# KiCad board amix 68k (r0).kicad_pcb (continued)
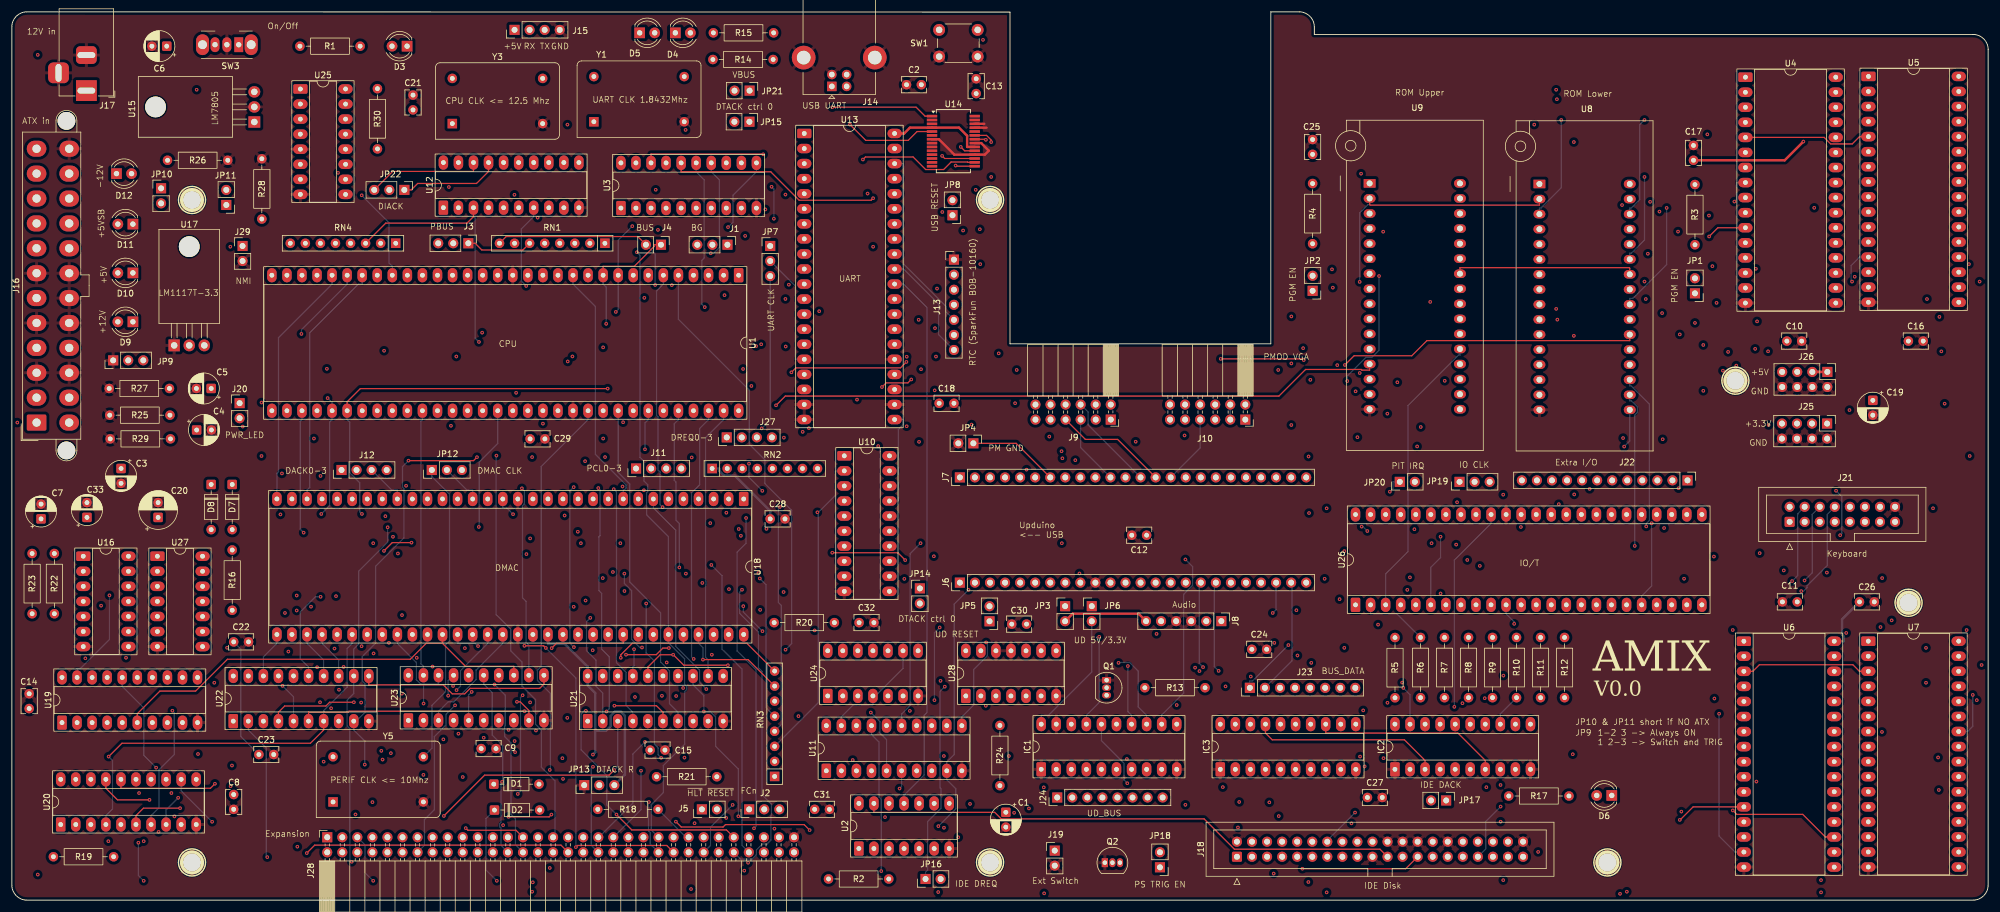
[diagram p0: board, top side]
## Routing (per net, layer and track width the routed paths; a pad name or vN(x,y) marks a point on that pad's centre or on a via; arc(x,y) is an arc through that point) (continued)
A2: length 725.4
  Top w0.2: v1(91.02,14.44) 90.63,14.05 v1(83.78,14.05) ; v1(91.06,42.52) 91.86,43.32 103.13,43.32 U18.56 ; U4.11 287.78,113.44 v1(286.31,111.96)
  In1.Cu w0.2: 229.04,95.01 229.04,94.5 228.78,94.5 227.31,93.03 227.31,88.98 v1(227.37,88.93) ; 229.04,95.01 229.04,95.26 ; 229.04,95.01 229.04,95.26 ; 229.04,95.26 U9.11 ; U8.11 257.68,94.4 257.42,94.4 256.31,93.28 256.31,82.27 260.95,77.63 260.95,66.8 v1(260.95,66.8) ; v1(281.36,95.44) 281.36,97.69 286.23,102.56 286.23,111.88 v1(286.31,111.96) ; v1(103.34,52.15) 103.13,51.94 U18.56 ; 132.94,78.54 132.23,77.84 132.23,54.04 v1(130.18,51.98) ; 132.94,78.54 v1(133.4,79.01) ; 132.94,78.54 126.41,85.07 v1(126.41,93.78) ; U6.11 290.67,18.28 278.89,30.06 278.89,61.95 279.31,62.38 279.31,63.03 278.78,63.56 277.46,63.56 U26.28 ; v1(150.94,79.95) 153.29,82.29 153.29,89.57 ; v1(57.97,14.46) 57.01,13.5 57.01,9.34 J28.4 ; v1(91.06,42.52) 91.28,42.29 91.28,22.29 91.39,22.18 91.39,14.81 v1(91.02,14.44) ; 153.29,89.57 v1(153.37,89.57) ; 153.29,89.57 153.29,93.44 150.41,96.32 U13.27
  In2.Cu w0.2: 229.04,95.01 229.04,94.5 256.76,94.5 U8.11 257.68,96.44 280.36,96.44 v1(281.36,95.44) ; U26.28 277.46,66.56 277.22,66.8 v1(260.95,66.8) ; U9.11 229.04,95.26 ; v1(133.4,79.01) 150,79.01 v1(150.94,79.95) ; U1.30 48.94,103.93 58.09,94.77 79.04,94.77 79.4,94.42 125.77,94.42 v1(126.41,93.78) ; U7.11 309.68,18.29 308.56,19.41 294.8,19.41 293.67,18.28 U6.11 290.67,18.28 288.33,15.94 251.29,15.94 v1(251.13,15.78) 251.02,15.67 227.11,15.67 226.99,15.78 206.71,15.78 202.77,19.72 v1(188.16,19.72) ; v1(57.97,14.46) 58.34,14.84 73.11,14.84 73.89,14.05 v1(83.78,14.05) ; v1(103.34,52.15) 103.7,51.79 121.73,51.79 122.92,52.98 123.42,52.98 123.77,52.62 129.53,52.62 v1(130.18,51.98) ; v1(227.37,88.93) 220.6,88.93 219.82,89.71 214.2,89.71 213.87,90.05 213.37,90.05 213.04,89.71 212.74,89.71 212.74,89.71 170.08,89.71 169.75,90.05 169.25,90.05 168.92,89.71 153.52,89.71 v1(153.37,89.57) ; U5.11 311.68,113.57 310.71,114.54 302.34,114.54 301.24,113.44 U4.11
  Bottom w0.2: v1(188.16,19.72) 187.61,20.27 187.61,23.1 183.8,26.91 IC1.16 ; J18.33 248.62,8.64 248.62,13.27 v1(251.13,15.78)
A3: length 681.9
  In1.Cu w0.2: v1(52.07,71.56) 53.43,70.2 53.43,60.32 61.08,52.68 61.08,41.68 v1(61.02,41.62) 61.32,41.32 61.32,23.81 59.55,22.04 59.55,9.34 J28.6 ; v1(99.74,77.87) 99.43,77.56 99.43,69.87 99.53,69.77 99.53,69.27 99.43,69.17 99.43,55.84 100.59,54.68 U18.55 100.59,43.32 99.14,43.32 v1(97.98,42.16) ; 272.94,80.97 278.85,75.05 278.85,67.71 280,66.56 U26.27 280,63.56 281.22,62.34 281.22,30.27 290.67,20.82 U6.10 ; 272.94,80.97 269.21,84.69 269.21,85.68 257.95,96.94 257.68,96.94 U8.10 ; 272.94,80.97 279.04,87.07 279.04,115.05 v1(277.93,116.17) ; J18.36 249.84,18.14 v1(251.12,19.43) ; v1(223.58,90.26) 223.58,92.6 U9.10 ; v1(150.95,91.68) 150.95,93.24 150.41,93.78 U13.26 147.41,93.78 146.14,92.51 v1(146.14,76.61) ; v1(45.56,71.99) 45.29,72.26 45.29,102.82 46.4,103.93 U1.31
  In2.Cu w0.2: U7.10 311.66,20.83 310.56,21.93 294.78,21.93 293.67,20.82 U6.10 290.67,20.82 289.28,19.43 v1(251.12,19.43) 250.9,19.65 238.82,19.65 237.12,21.35 237.12,22.76 233.49,26.4 188.13,26.4 186.34,28.19 IC1.15 ; 229.04,97.55 U9.10 229.04,97.55 ; 229.04,97.55 229.04,97.04 229.14,96.94 257.68,96.94 U8.10 ; v1(45.56,71.99) 45.98,71.56 v1(52.07,71.56) ; v1(97.98,42.16) 97.73,41.91 61.31,41.91 v1(61.02,41.62) ; v1(150.95,91.68) 152.01,90.62 168.69,90.62 168.92,90.85 170.08,90.85 170.31,90.62 212.6,90.62 213.13,91.15 217.2,91.15 217.32,91.27 217.32,91.36 217.68,91.72 218.18,91.72 218.53,91.36 222.47,91.36 v1(223.58,90.26) ; v1(146.14,76.61) 117.95,76.61 116.69,77.87 v1(99.74,77.87) ; v1(277.93,116.17) 290.74,116.17 290.93,115.98 U4.10 293.93,115.98 295.36,117.4 310.38,117.4 311.68,116.11 U5.10
A4: length 560.5
  In1.Cu w0.2: v1(46.07,48.45) 42.73,51.78 42.73,102.8 43.86,103.93 U1.32 ; v1(219.2,40.04) 222.85,43.69 222.85,93.65 228.77,99.58 229.04,99.58 229.04,100.09 ; U6.9 290.67,23.36 283.81,30.22 283.81,62.29 282.54,63.56 U26.26 282.54,66.56 283.92,67.94 v1(283.92,97.38) 283.92,98.35 287.83,102.27 287.83,115.96 290.39,118.52 U4.9 ; 229.04,100.09 U9.9 229.04,100.09 ; v1(63.6,43.42) 61.73,41.54 61.73,23.67 62.11,23.29 62.11,9.36 J28.8 ; U8.9 260.62,100.5 261.11,100.01 261.11,98.34 v1(260.71,97.94)
  In2.Cu w0.2: 98.05,43.32 86.9,43.32 86.71,43.51 86.21,43.51 86.02,43.32 79.03,43.32 78.89,43.46 78.39,43.46 78.25,43.32 63.7,43.32 63.6,43.42 ; 98.05,43.32 U18.54 ; 98.05,43.32 131.53,43.32 135.42,39.43 188.19,39.43 v1(188.25,39.49) 188.8,40.04 v1(219.2,40.04) ; U6.9 293.67,23.36 294.8,24.49 310.54,24.49 311.66,23.37 U7.9 ; U9.9 229.04,101.62 257.58,101.62 257.68,101.52 U8.9 ; U4.9 293.93,118.52 295.04,119.63 310.7,119.63 311.68,118.65 U5.9 ; 63.6,43.42 v1(63.6,43.42) ; 63.6,43.42 63.6,45.68 62.56,46.72 47.79,46.72 v1(46.07,48.45) ; v1(260.71,97.94) 261.72,96.93 283.46,96.93 v1(283.92,97.38)
  Bottom w0.2: v1(188.25,39.49) 188.25,31.82 188.88,31.19 IC1.14
A5: length 533.9
  In1.Cu w0.2: v1(218.82,65.3) 220.71,67.2 220.71,101.21 v1(222.83,103.33) ; 48.49,47.54 48.67,47.37 48.67,10.89 53.68,5.87 61.16,5.87 J28.10 ; 48.49,47.54 v1(50.46,49.51) ; 48.49,47.54 43.6,52.43 43.6,80.81 43.86,81.07 U1.33 ; U18.53 95.51,48.76 v1(94.77,49.49) 94.77,59.01 v1(95.99,60.22) ; U6.8 290.67,25.9 286.18,30.39 286.18,57.48 286.11,57.55 286.11,58.38 286.18,58.45 286.18,62.46 285.08,63.56 U26.25 285.08,66.56 284.73,66.92 284.73,97.93 v1(287.56,100.76) 288.51,101.71 288.51,115.79 v1(290.57,117.85)
  In2.Cu w0.2: U6.8 293.67,25.9 294.94,27.17 309.9,27.17 310.7,26.37 311.2,26.37 311.66,25.91 U7.8 ; v1(222.83,103.33) 227.54,103.33 227.74,103.14 U9.8 229.04,102.12 256.76,102.12 U8.8 258.74,101.98 273.73,101.98 274.95,100.76 v1(287.56,100.76) ; v1(218.82,65.3) 216.87,63.36 139.56,63.36 136.67,60.47 122.56,60.47 122.21,60.82 102.9,60.82 102.9,60.82 96.59,60.82 v1(95.99,60.22) ; U5.8 311.68,121.19 310.7,122.17 295.04,122.17 293.93,121.06 U4.8 ; v1(50.46,49.51) 94.75,49.51 v1(94.77,49.49)
  Bottom w0.2: v1(290.57,117.85) 290.93,118.21 290.93,121.06 U4.8
A6: length 546.2
  In1.Cu w0.2: v1(65.81,48.08) 63.93,46.2 63.93,43.96 64.21,43.68 64.21,39.48 63.33,38.6 63.33,15.07 64.63,13.77 64.63,9.34 J28.12 ; 229.04,105.17 229.04,104.66 229.29,104.66 230.38,103.57 230.38,97.66 229.51,96.79 228.55,96.79 224.18,92.42 224.18,59.14 223.97,58.93 v1(223.97,50.78) ; 229.04,105.17 229.04,105.42 ; 229.04,105.17 229.04,105.42 ; 229.04,105.42 U9.7 ; U5.7 314.68,123.73 314.68,87.08 312.74,85.15 312.74,83.6 313.35,83 314.39,83 318.86,78.53 318.86,52.39 317.62,51.14 317.62,49.03 317.75,48.9 317.75,30.66 v1(315.46,28.38) ; U1.34 46.4,71.98 46.14,71.72 46.14,50.77 v1(48.05,48.86) ; v1(286.86,106.95) 286.91,107 286.91,119.58 290.93,123.6 U4.7
  In2.Cu w0.2: 229.04,105.17 229.04,105.42 ; 229.04,105.17 229.04,104.66 254.41,104.66 256.36,106.6 257.68,106.6 257.68,106.26 ; 229.04,105.17 229.04,105.42 ; 229.04,105.42 U9.7 ; v1(223.97,50.78) 158.19,50.78 155.78,48.37 92.97,48.37 ; U6.7 293.67,28.44 294.78,29.55 308.37,29.55 309.01,28.91 311.2,28.91 311.66,28.45 U7.7 314.66,28.45 314.73,28.38 v1(315.46,28.38) ; 65.81,48.37 92.97,48.37 ; 65.81,48.37 v1(65.81,48.08) ; 65.81,48.37 48.55,48.37 v1(48.05,48.86) ; 92.97,48.37 U18.52 ; U5.7 311.68,123.73 310.68,124.73 295.06,124.73 293.93,123.6 U4.7 ; 257.68,106.26 U8.7 ; 257.68,106.26 258.07,106.65 286.56,106.65 v1(286.86,106.95)
A7: length 530
  In1.Cu w0.2: 229.04,107.71 U9.6 229.04,107.71 ; 229.04,107.71 229.04,107.2 228.77,107.2 221.79,100.21 v1(221.79,66.1) ; U4.6 293.93,126.14 293.93,109.5 ; 293.93,109.5 291.43,109.5 289.04,107.11 289.04,99.51 287.63,98.11 287.63,58.3 287.72,58.22 287.72,57.72 287.63,57.63 287.63,34.43 290.67,31.4 290.67,30.98 U6.6 ; 293.93,109.5 294.2,109.23 v1(294.2,106.51) ; v1(87.42,61.02) 87.42,46.79 87.89,46.32 U18.50 87.89,43.32 88.32,42.88 88.32,36.17 87.42,35.27 v1(87.42,33.37)
  In2.Cu w0.2: U7.6 311.63,30.99 310.52,32.09 294.78,32.09 293.67,30.98 U6.6 ; 229.04,107.71 U9.6 229.04,107.71 ; 229.04,107.71 229.04,107.2 229.14,107.1 257.68,107.1 257.68,107.18 ; v1(87.42,33.37) 86.14,33.37 85.45,34.06 84.95,34.06 84.6,33.71 84.6,33.63 83.82,32.86 v1(74.76,32.86) ; v1(221.79,66.1) 138.81,66.1 133.57,60.87 122.72,60.87 122.38,61.22 103.06,61.22 103.06,61.22 87.62,61.22 v1(87.42,61.02) 86.45,62 v1(49.22,62) ; v1(294.2,106.51) 293.7,107 287.86,107 287.27,107.59 274.11,107.59 273.62,107.1 257.77,107.1 257.68,107.18 ; U5.6 311.68,126.27 310.68,127.27 295.06,127.27 293.93,126.14 U4.6 ; 257.68,107.18 U8.6
  Bottom w0.2: J28.14 69.59,9.22 69.59,13.58 71.27,15.25 71.27,27.58 73.24,29.55 73.24,31.34 v1(74.76,32.86) ; U1.35 48.94,81.07 48.64,80.77 48.64,62.58 v1(49.22,62)
A8: length 543.6
  Top w0.2: v1(62.77,58.92) 64.17,60.31 v1(67.41,60.31) ; v1(138.4,58.61) 149.45,58.61 v1(150.7,57.36) ; U5.5 311.68,128.81 310.45,127.58 306.81,127.58 305.71,128.68 U4.5
  In1.Cu w0.2: 69.43,29.57 70.59,30.73 70.59,38.88 68.9,40.57 68.9,41.13 66.41,43.62 66.41,49.06 62.77,52.7 v1(62.77,58.92) 61.35,58.92 56.14,64.12 56.14,68.82 51.56,73.41 51.56,80.99 51.48,81.07 U1.36 ; 69.43,29.57 69.43,28.82 70.55,27.7 70.55,14.09 69.81,13.35 69.81,9.23 J28.16 ; 69.43,29.57 U23.2 ; 263.49,111.68 v1(263.49,95.2) ; 263.49,111.68 257.68,111.68 U8.5 ; 263.49,111.68 v1(263.49,127.89) ; v1(285.33,93.66) 287.11,91.87 v1(287.11,57.97) 287.2,57.97 v1(287.2,34.01)
  In2.Cu w0.2: v1(138.4,58.61) 138,59.01 68.72,59.01 v1(67.41,60.31) ; U8.5 246.1,110.66 244.98,111.78 229.04,111.78 U9.5 ; v1(263.49,95.2) 264.71,93.98 285.01,93.98 v1(285.33,93.66) ; v1(287.2,34.01) 290.17,34.01 290.67,33.52 U6.5 293.67,33.52 294.78,34.63 310.56,34.63 311.66,33.53 U7.5 ; v1(263.49,127.89) 264.18,128.59 290.84,128.59 290.93,128.68 U4.5 ; v1(150.7,57.36) 151.61,56.45 241.96,56.45 243.5,57.99 287.09,57.99 v1(287.11,57.97)
A9: length 533.4
  In1.Cu w0.2: v1(233.72,87.37) 233.72,93.63 242.76,102.68 242.76,105.94 244.01,107.2 244.28,107.2 244.28,107.71 ; 244.28,107.71 244.28,107.96 ; 244.28,107.71 244.28,107.96 ; J28.18 74.77,9.32 74.77,26.54 77.05,28.82 U23.5 ; v1(77.56,35.13) 78.17,35.74 78.17,40.76 v1(76.42,42.51) ; 244.28,107.96 U9.27 ; U4.27 309.17,126.14 309.17,77.67 306.13,74.64 306.13,61.79 305.54,61.19 305.54,31.35 305.91,30.98 U6.27 ; v1(52.19,65.15) 52.19,60.25 58.68,53.76 58.68,43.16 v1(58.99,42.84)
  In2.Cu w0.2: U8.27 272.92,109.14 245.2,109.14 U9.27 ; U7.27 326.9,30.99 325.79,29.88 310.01,29.88 308.91,30.98 U6.27 ; v1(275.41,122.01) 288.37,122.01 291.36,125.01 293.81,125.01 294.95,126.14 U4.27 309.17,126.14 310.17,125.14 325.79,125.14 326.92,126.27 U5.27 ; v1(53.26,84.7) 58.84,90.28 94.02,90.28 94.37,90.63 94.38,90.64 130.51,90.64 131.27,89.88 150.7,89.88 151.74,88.84 220.12,88.84 220.69,88.28 227.64,88.28 228.28,88.92 232.16,88.92 v1(233.72,87.37) ; v1(58.99,42.84) 59.32,42.51 v1(76.42,42.51)
  Bottom w0.2: U8.27 272.92,109.14 273.17,109.14 275.41,111.37 v1(275.41,122.01) ; v1(77.56,35.13) 77.05,34.61 U23.5 ; v1(53.26,84.7) 53.89,84.07 54.02,84.07 U1.37 54.02,81.07 53.6,80.65 53.6,66.56 v1(52.19,65.15)
A10: length 514
  Top w0.2: 244.28,106.19 244.28,106.7 272.82,106.7 272.92,106.6 U8.26 ; 244.28,106.19 244.28,105.94 ; 244.28,106.19 244.28,105.94 ; 244.28,105.94 U9.26 ; v1(100.51,86.3) 58.79,86.3 56.56,84.07 U1.38
  In1.Cu w0.2: U5.26 329.92,123.73 330.67,122.98 330.67,107.61 330.73,107.55 330.73,107.26 330.76,107.24 330.76,107.24 330.76,75.29 330.86,75.18 330.86,74.68 330.76,74.58 330.76,35.05 330.76,34.88 330.67,34.79 330.67,34.74 v1(330.78,34.62) ; J28.20 77.33,9.34 77.33,21.32 80.29,24.29 80.29,28.11 79.59,28.82 U23.6 79.59,31.82 75.78,35.63 75.78,39.59 71.38,43.99 71.38,46.64 63.37,54.64 63.37,59.17 59.05,63.49 v1(59.05,65.15) ; U8.26 272.92,106.6 273.18,106.6 275.37,108.79 275.37,116.83 v1(276.36,117.81)
  In2.Cu w0.2: U5.26 326.92,123.73 325.79,122.6 310.17,122.6 309.17,123.6 U4.26 295.35,123.6 294.22,122.47 290.96,122.47 286.3,117.81 v1(276.36,117.81) ; U7.26 326.9,28.45 325.79,27.34 310.3,27.34 309.2,28.44 U6.26 ; v1(100.51,86.3) 101.71,87.51 150.53,87.51 151.47,88.44 219.24,88.44 220.1,87.57 v1(225.27,87.57) ; U9.26 242.98,105.68 242.59,105.29 v1(230.63,105.29)
  Bottom w0.2: U1.38 56.56,81.07 57,80.63 57,72.09 58.68,70.41 58.68,65.53 v1(59.05,65.15) ; U7.26 329.9,28.45 330.78,29.33 v1(330.78,34.62) ; v1(225.27,87.57) 225.27,88.43 228.41,91.58 229.41,91.58 230.63,92.8 v1(230.63,105.29)
A11: length 517.9
  Top w0.2: U23.9 87.21,32 85.75,33.46 v1(85.2,33.46)
  In1.Cu w0.2: U6.23 305.91,20.82 299.79,26.94 299.79,53.49 294.84,58.44 v1(294.84,58.54) 294.84,97.2 v1(294.4,97.64) 294.4,104.21 306.17,115.98 U4.23 ; v1(64.29,61.31) 64.29,62.86 63.67,63.48 63.67,69.81 62.04,71.44 62.04,78.13 59.1,81.07 U1.39 ; v1(83.79,28.73) 82.78,27.72 82.78,24.73 79.87,21.81 79.87,9.34 J28.22 ; v1(85.2,33.46) 85.13,33.52 85.13,36.41 85.8,37.08 85.8,41.39 87.06,42.66 87.06,43.16 86.76,43.46 86.76,58.34 v1(86.8,58.38)
  In2.Cu w0.2: 272.92,98.3 272.92,98.98 245.2,98.98 U9.23 ; 272.92,98.3 U8.23 ; 272.92,98.3 293.74,98.3 v1(294.4,97.64) ; U7.23 326.9,20.83 325.79,19.72 310.01,19.72 308.91,20.82 U6.23 ; U5.23 326.92,116.11 325.81,115 310.15,115 309.17,115.98 U4.23 ; U23.9 87.21,28.82 83.88,28.82 v1(83.79,28.73) ; v1(64.29,61.31) 67.21,58.38 v1(86.8,58.38) 87.17,58.01 138.64,58.01 139,58.36 154.32,58.36 155.81,56.88 237.88,56.88 239.57,58.57 294.81,58.57 v1(294.84,58.54)
A12: length 545.2
  In1.Cu w0.2: U9.25 244.28,102.12 244.54,102.12 248.11,98.55 248.11,62.87 250.89,60.09 250.89,37.6 248.45,35.16 v1(248.45,34.06) ; U1.40 61.64,81.07 66.11,76.6 66.11,70.29 v1(66.5,69.91) ; v1(271.62,117.26) 271.56,117.21 271.56,105.15 272.66,104.06 272.92,104.06 U8.25 ; U23.12 87.21,36.44 87.19,36.44 85.56,34.81 85.56,34.31 85.88,33.99 85.88,31.63 85.94,31.56 85.94,12.89 84.83,11.78 84.83,10.13 84.04,9.34 82.41,9.34 J28.24
  In2.Cu w0.2: 248.45,33.49 v1(248.45,34.06) ; 248.45,33.49 249.42,32.52 271.29,32.52 279.04,24.77 293.7,24.77 294.83,25.9 U6.25 310.89,25.9 311.98,24.8 325.79,24.8 326.9,25.91 U7.25 ; 248.45,33.49 246.57,31.61 242.92,31.61 242.87,31.65 228.45,31.65 228.2,31.41 227.71,31.41 227.46,31.65 152.05,31.65 151.73,31.33 151.23,31.33 150.91,31.65 v1(144.89,31.65) 134.08,31.65 130.96,34.77 121.04,34.77 118.55,37.26 118.55,38.68 117.91,39.32 114.45,39.32 113.81,38.68 113.81,37.24 112.89,36.32 87.33,36.32 87.21,36.44 U23.12 ; v1(66.5,69.91) 66.93,69.48 v1(86.04,69.48) ; U8.25 272.92,104.06 272.82,104.16 244.28,104.16 244.28,103.65 ; 244.28,103.4 U9.25 ; 244.28,103.4 244.28,103.65 ; 244.28,103.4 244.28,103.65 ; U5.25 326.92,121.19 325.79,120.06 310.17,120.06 309.17,121.06 U4.25 294.64,121.06 293.37,119.79 289.09,119.79 286.68,117.38 278.89,117.38 278.72,117.21 271.67,117.21 v1(271.62,117.26)
  Bottom w0.2: U23.12 87.21,43.01 86.75,43.47 86.75,50.39 86.13,51.01 86.13,66.51 86.45,66.82 86.45,69.06 v1(86.04,69.48) ; U11.5 147.55,27.08 146.42,28.21 146.42,30.12 v1(144.89,31.65)
A13: length 528.2
  In1.Cu w0.2: U23.15 79.59,40.39 76.46,43.52 76.46,49.24 71.41,54.29 71.41,68.58 69.26,70.73 69.26,80.54 67.99,81.81 67.99,83.26 67.18,84.07 64.18,84.07 U1.41 ; v1(227.69,63.01) 227.81,63.13 227.81,82.25 227.72,82.33 227.72,88.31 227.97,88.56 227.97,89.18 227.72,89.43 227.72,90.86 228.56,91.71 229.56,91.71 231.33,93.48 v1(231.33,112.78) ; U8.4 257.68,114.22 257.42,114.22 256.33,115.31 256.33,130.36 v1(256.81,130.84) ; v1(228.65,62.27) 227.95,61.58 v1(227.95,32.01) ; U11.6 150.09,23.32 151.48,24.71 v1(151.48,31.93)
  In2.Cu w0.2: U7.4 311.66,36.07 310.54,37.19 294.8,37.19 293.67,36.06 U6.4 249.52,36.06 245.47,32.01 243.08,32.01 243.03,32.07 227.95,32.07 ; U5.4 311.68,131.35 310.68,132.35 295.06,132.35 293.93,131.22 U4.4 290.93,131.22 290.54,130.84 v1(256.81,130.84) ; 227.95,32.07 151.62,32.07 v1(151.48,31.93) ; 227.95,32.07 v1(227.95,32.01) ; U8.4 257.68,112.18 245.15,112.18 245.05,112.28 229.04,112.28 U9.4 230.34,113.3 230.86,112.78 v1(231.33,112.78) ; v1(82.7,19.96) 83.44,20.7 89.81,20.7 92.67,17.84 120.02,17.84 121.1,18.91 149.66,18.91 v1(149.74,18.83)
  Bottom w0.2: J28.26 82.51,9.24 82.51,12.16 82.27,12.4 82.27,12.9 82.51,13.15 82.51,19.77 v1(82.7,19.96) 82.8,20.06 82.8,26.07 81.03,27.85 81.03,35 79.59,36.44 U23.15 ; U11.6 150.09,19.18 v1(149.74,18.83) ; v1(227.69,63.01) 227.91,63.01 v1(228.65,62.27)
A14: length 580.7
  In1.Cu w0.2: v1(222.69,106.42) 221.4,105.13 221.4,102.65 220.25,101.5 220.25,69.15 216.95,65.85 216.95,49.18 v1(216.68,48.91) ; v1(331.46,33.74) 331.28,33.92 331.28,34.27 331.38,34.37 331.38,34.87 331.27,34.99 331.27,127.46 329.92,128.81 U5.28 ; U1.42 66.72,81.07 68.7,79.09 68.7,50.77 73.95,45.52 73.95,42.54 77.05,39.44 U23.16 ; v1(157.22,24.32) 157.22,27.03 156.53,27.73 156.53,32.84 v1(155.63,33.74) ; v1(87.76,1.43) 86.22,2.97 J28.28 ; U11.7 152.63,20.32 154.31,18.64 154.31,12.97 156.85,10.43 156.85,5.29 157.88,4.26 157.88,2.97 v1(156.27,1.36) ; v1(304.04,116.8) 304.04,126.55 306.17,128.68 U4.28
  In2.Cu w0.2: U9.28 244.28,109.74 ; 244.28,109.74 244.24,109.7 ; 244.28,109.74 244.24,109.7 244.24,109.7 ; 244.28,109.74 244.42,109.59 272.36,109.59 272.92,110.15 ; 244.24,109.7 244.2,109.66 225.93,109.66 v1(222.69,106.42) ; 272.92,110.15 277.34,114.57 293.09,114.57 293.46,114.94 302.18,114.94 v1(304.04,116.8) ; 272.92,110.15 U8.28 ; v1(87.76,1.43) 87.92,1.27 156.17,1.27 v1(156.27,1.36) ; U6.28 309.69,33.52 310.8,32.42 325.79,32.42 326.9,33.53 U7.28 329.9,33.53 330.11,33.74 v1(331.46,33.74) ; v1(157.22,24.32) 153.62,24.32 152.63,23.32 U11.7 ; U5.28 326.92,128.81 325.79,127.68 310.17,127.68 309.17,128.68 U4.28 ; U23.16 77.05,36.44 77.11,36.38 v1(81.42,36.38) ; v1(216.68,48.91) 216.51,49.09 185.83,49.09 185.18,48.43 158.95,48.43 v1(156.51,46)
  Bottom w0.2: v1(156.51,46) 155.63,45.12 v1(155.63,33.74) ; v1(81.42,36.38) 83.23,34.57 83.23,29.46 83.13,29.37 83.13,27.59 84.21,26.52 84.21,14.48 84.95,13.73 84.95,9.34 J28.28
A15: length 512.6
  Top w0.2: U7.3 311.66,38.61 310.56,39.71 294.78,39.71 293.67,38.6 U6.3
  In1.Cu w0.2: U4.3 290.93,133.76 290.93,133.26 286.28,128.62 v1(286.28,115.5) ; v1(248.73,19.05) 249.97,20.28 249.97,31.86 251.6,33.49 v1(251.6,37.88) 251.6,46.75 253.17,48.31 253.17,61.04 250.87,63.33 250.87,105.9 244.49,112.28 244.28,112.28 244.28,112.79 ; 244.28,113.04 244.28,112.79 ; 244.28,113.04 244.28,112.79 ; 244.28,113.04 U9.29 ; v1(92.97,20.46) 92.57,20.05 92.57,10.19 91.6,9.22 89.91,9.22 J28.30 ; U23.19 69.43,36.44 68.3,35.31 68.3,22.27 v1(69.43,21.14)
  In2.Cu w0.2: 244.28,113.81 244.28,113.56 ; 244.28,113.81 244.28,113.56 ; 244.28,113.81 244.28,114.32 272.82,114.32 272.92,114.22 ; 244.28,113.56 U9.29 ; U11.8 155.17,20.32 ; 155.17,20.32 154.55,19.7 119.93,19.7 118.48,18.24 95.19,18.24 v1(92.97,20.46) 92.29,21.14 76.54,21.14 76.31,21.37 69.66,21.37 v1(69.43,21.14) ; 155.17,20.32 161.34,20.32 161.46,20.43 204.14,20.43 205.52,19.05 v1(248.73,19.05) ; U4.3 293.93,133.76 295.04,134.87 310.7,134.87 311.68,133.89 U5.3 ; v1(286.28,115.5) 276.55,115.5 275.28,114.22 272.92,114.22 ; v1(251.6,37.88) 252.32,38.6 U6.3 ; 272.92,114.22 U8.29
  Bottom w0.2: U23.19 69.43,39.44 69,39.87 69,80.81 69.26,81.07 U1.43
A16: length 641
  In1.Cu w0.2: v1(90.74,5.43) 91.3,5.99 J28.32 ; U9.3 229.04,115.58 ; U5.31 326.92,136.43 321.3,130.81 321.3,52.53 322.89,50.94 v1(322.89,42.56) ; 229.04,115.33 229.04,114.82 229.29,114.82 230.34,113.77 230.34,110.27 229.31,109.24 228.33,109.24 223.73,104.64 223.73,103.1 221.11,100.48 221.11,54.56 v1(221.45,54.22) ; v1(128.64,12.06) 128.13,11.55 128.13,7.65 126.79,6.31 v1(124.19,6.31) ; U22.2 39.89,35.45 41.3,36.86 41.3,83.14 v1(42.12,83.95)
  In2.Cu w0.2: v1(261.36,131.62) 264.63,134.89 293.09,134.89 294.04,135.84 305.71,135.84 306.17,136.3 U4.31 309.17,136.3 310.15,135.32 325.81,135.32 326.92,136.43 U5.31 ; 322.89,42.27 325.78,42.27 326.9,41.15 U7.31 ; 322.89,42.27 310.04,42.27 308.91,41.14 U6.31 ; 322.89,42.27 v1(322.89,42.56) ; 229.04,115.33 229.04,114.82 256.76,114.82 U8.3 ; 229.04,115.58 U9.3 ; v1(221.45,54.22) 219.58,52.35 v1(161.37,52.35) ; v1(156.29,12.48) 155.87,12.06 135.18,12.06 134.82,12.42 134.32,12.42 133.97,12.06 v1(128.64,12.06) ; v1(124.19,6.31) 123.98,6.31 123.1,5.43 v1(90.74,5.43) 44.91,5.43 v1(43.09,7.26) ; U1.44 71.8,84.07 42.24,84.07 v1(42.12,83.95)
  Bottom w0.2: U8.3 257.68,116.76 257.93,116.76 261.36,120.19 v1(261.36,131.62) ; v1(156.29,12.48) 159.23,15.42 159.23,18.8 157.71,20.32 U11.9 157.71,23.32 158.96,24.57 158.96,49.94 v1(161.37,52.35) ; U22.2 39.89,28.7 42.92,25.67 42.92,7.42 v1(43.09,7.26)
A17: length 622
  Top w0.2: 229.04,117.87 229.04,117.36 229.14,117.26 257.68,117.26 U8.2 ; 229.04,117.87 U9.2 229.04,117.87 ; v1(49.75,7.94) 51.09,9.28 92.63,9.28 J28.34
  In1.Cu w0.2: v1(260.63,135.12) 260.63,121.61 258.32,119.3 257.68,119.3 U8.2 ; v1(227.36,104.3) 222.39,99.34 222.39,46.8 v1(216.87,41.27) ; v1(42.12,74.93) 42.12,40.33 43.84,38.61 43.84,36.94 44.62,36.16 v1(45.65,36.16) ; v1(159.65,10.61) 159.65,15.48 161.41,17.24 161.41,26.77 160.25,27.94 U11.11 ; U1.45 74.34,81.07 74.07,80.8 v1(74.07,80.03) ; U6.2 290.67,41.14 290.29,41.51 v1(290.29,45.58) ; U22.5 47.51,10.85 49.75,8.61 v1(49.75,7.94)
  In2.Cu w0.2: J28.34 93.84,8.5 94.89,9.55 95.39,9.55 95.62,9.32 132.28,9.32 133.59,10.64 164.09,10.64 167.41,7.32 167.41,5.46 165.98,4.03 164.04,4.03 159.65,8.42 v1(159.65,10.61) ; U6.2 293.67,41.14 294.78,40.03 310.54,40.03 311.66,41.15 U7.2 ; v1(290.29,45.58) 261.12,45.58 258.1,42.56 245.21,42.56 243.92,41.27 v1(216.87,41.27) 216.78,41.19 206.67,41.19 204.21,43.65 164.52,43.65 v1(164.35,43.48) ; U5.2 309.7,136.43 308.68,137.46 295.09,137.46 293.93,136.3 U4.2 261.81,136.3 v1(260.63,135.12) ; v1(74.07,80.03) 68.97,74.93 v1(42.12,74.93)
  Bottom w0.2: U22.5 47.51,34.3 v1(45.65,36.16) ; U9.2 229.04,117.36 228.77,117.36 227.36,115.94 v1(227.36,104.3) ; U11.11 160.25,30.94 162.25,32.95 162.25,38.91 164.56,41.21 164.56,43.26 v1(164.35,43.48)
A18: length 587.7
  Top w0.2: U22.6 50.05,31.7 56.7,31.7 56.88,31.88 v1(86.48,31.88) ; v1(150.9,90.8) 149.9,89.8 132.25,89.8 v1(131.5,89.04)
  In1.Cu w0.2: U5.30 329.92,133.89 332.67,131.14 332.67,40.07 v1(332.27,39.67) ; v1(215.83,98.47) v1(215.83,90.55) ; v1(239.26,100.93) 239.26,110.06 244.01,114.82 244.28,114.82 U9.30 ; U3.1 102.74,111.49 98.47,107.22 98.47,100.28 85.06,86.87 v1(85.06,85.59) 85.77,84.89 85.77,81.03 88.55,78.25 88.55,76.63 86.79,74.86 86.79,66.58 91.7,61.67 91.7,32.75 v1(93.69,30.76) 95.22,29.23 95.22,9.72 96.38,8.56 J28.36
  In2.Cu w0.2: v1(275.4,131.62) 276.13,132.35 293.09,132.35 294.04,133.3 305.71,133.3 306.17,133.76 U4.30 309.17,133.76 310.15,132.78 325.81,132.78 326.92,133.89 U5.30 ; U6.30 309.97,38.6 311.09,39.72 325.79,39.72 326.9,38.61 U7.30 331.69,38.61 332.27,39.19 v1(332.27,39.67) ; U8.30 271.62,115.74 270.5,116.86 244.28,116.86 U9.30 ; v1(86.48,31.88) 92.57,31.88 v1(93.69,30.76) ; U1.46 76.88,84.07 78.4,85.59 v1(85.06,85.59) 89.9,85.59 94.54,90.24 130.31,90.24 v1(131.5,89.04) ; v1(215.83,90.55) 213.3,90.55 212.92,90.17 170.2,90.17 169.92,90.45 169.09,90.45 168.8,90.17 151.54,90.17 v1(150.9,90.8) ; v1(239.26,100.93) 237.66,99.33 216.69,99.33 v1(215.83,98.47)
  Bottom w0.2: v1(275.4,131.62) 274.6,130.82 274.6,118.18 273.17,116.76 272.92,116.76 U8.30
A19: length 590.2
  Top w0.2: v1(78.46,74.73) 77.87,74.15 v1(66.91,74.15)
  In1.Cu w0.2: U8.1 257.68,133.89 v1(260.51,136.72) ; 229.04,121.44 229.04,121.97 227.82,123.18 227.27,123.18 217.82,113.74 v1(217.82,93.12) ; 229.04,121.44 U9.1 229.04,121.44 ; 79.42,95.74 U1.47 79.42,75.69 v1(78.46,74.73) ; 79.42,95.74 79.42,99.45 83.39,103.42 83.39,111.26 84.08,111.95 84.08,118.29 v1(84.78,119) ; 79.42,95.74 v1(79.33,95.74) ; U7.1 312.92,43.93 312.92,54.11 311.26,55.77 311.26,104.71 311.47,104.93 311.47,137.26 U5.1
  In2.Cu w0.2: 229.04,121.43 229.04,121.94 257.58,121.94 257.68,121.84 U8.1 ; v1(84.78,119) 104.54,119 105.28,118.26 U3.2 ; U7.1 310.27,43.69 309.12,42.54 293.31,42.54 U6.1 ; v1(79.33,95.74) 79.9,95.17 150.22,95.17 151.23,94.17 165.85,94.17 167.3,92.72 204.5,92.72 204.57,92.65 216.9,92.65 216.94,92.69 216.94,92.69 217.06,92.8 217.18,92.92 217.51,92.92 217.62,92.92 v1(217.82,93.12) ; v1(98.02,22.5) 97.92,22.6 59.8,22.6 v1(59.53,22.87) ; v1(260.51,136.72) 290.31,136.72 U4.1 293.58,139.99 312.16,139.99 U5.1 ; 229.04,121.18 U9.1
  Bottom w0.2: 57.67,29.77 57.67,28.7 59.53,26.84 v1(59.53,22.87) ; 57.67,29.77 59.58,31.68 59.58,36.49 59.11,36.96 59.11,41.09 61.36,43.34 61.36,56.33 66.13,61.1 66.13,69.42 65.9,69.66 65.9,73.14 v1(66.91,74.15) ; 57.67,29.77 U22.9 ; J28.38 97.74,9.25 97.74,22.21 v1(98.02,22.5)
A20: length 196.7
  In1.Cu w0.2: U1.48 81.96,97.8 88.37,104.2 88.37,110.29 88.69,110.61 v1(88.69,115.14)
  In2.Cu w0.2: v1(63.39,62.9) 78.71,62.9 v1(78.77,62.96) ; v1(88.69,115.14) 107.7,115.14 107.82,115.26 U3.3 ; v1(57.33,6.48) 57.54,6.68 100.07,6.68 J28.40
  Bottom w0.2: U1.48 81.96,77.04 78.83,73.91 78.83,63.02 v1(78.77,62.96) ; v1(57.33,6.48) 57.01,6.8 57.01,28.9 56.57,29.34 56.57,33.76 57.67,34.86 U22.12 57.67,42.37 58.51,43.21 58.51,55.51 63.39,60.39 v1(63.39,62.9)
A21: length 187.6
  In1.Cu w0.2: U3.4 110.36,115.26 109.42,115.26 101.01,106.85 101.01,101.97 87.04,88 U1.50 87.04,81.07 88.82,79.29 90.03,79.29 91.87,77.46 91.87,64.9 95.22,61.55 95.52,61.55 96.78,60.29 v1(96.78,50.55) 96.78,41.44 98.46,39.77 98.46,24.97 100.36,23.07 100.36,15.22 102.85,12.73 102.85,9.22 J28.42
  In2.Cu w0.2: v1(52.08,51.18) 52.71,50.55 v1(96.78,50.55)
  Bottom w0.2: U22.15 50.05,39.32 48.66,40.72 48.66,48.63 51.21,51.18 v1(52.08,51.18)
A22: length 224.7
  In1.Cu w0.2: U3.5 110.87,114.73 109.49,114.73 103.44,108.68 103.44,103.38 89.58,89.52 U1.51 89.58,80.4 v1(89.58,80.39) ; U22.16 47.51,32.5 46.41,31.4 46.41,10.78 v1(48.16,9.02) ; v1(51.5,39.29) 53.52,41.31 53.52,49.26 55.28,51.02 55.28,51.79 50.96,56.12 v1(50.96,77.87)